# KiCad board XMS0004.kicad_pcb (continued)
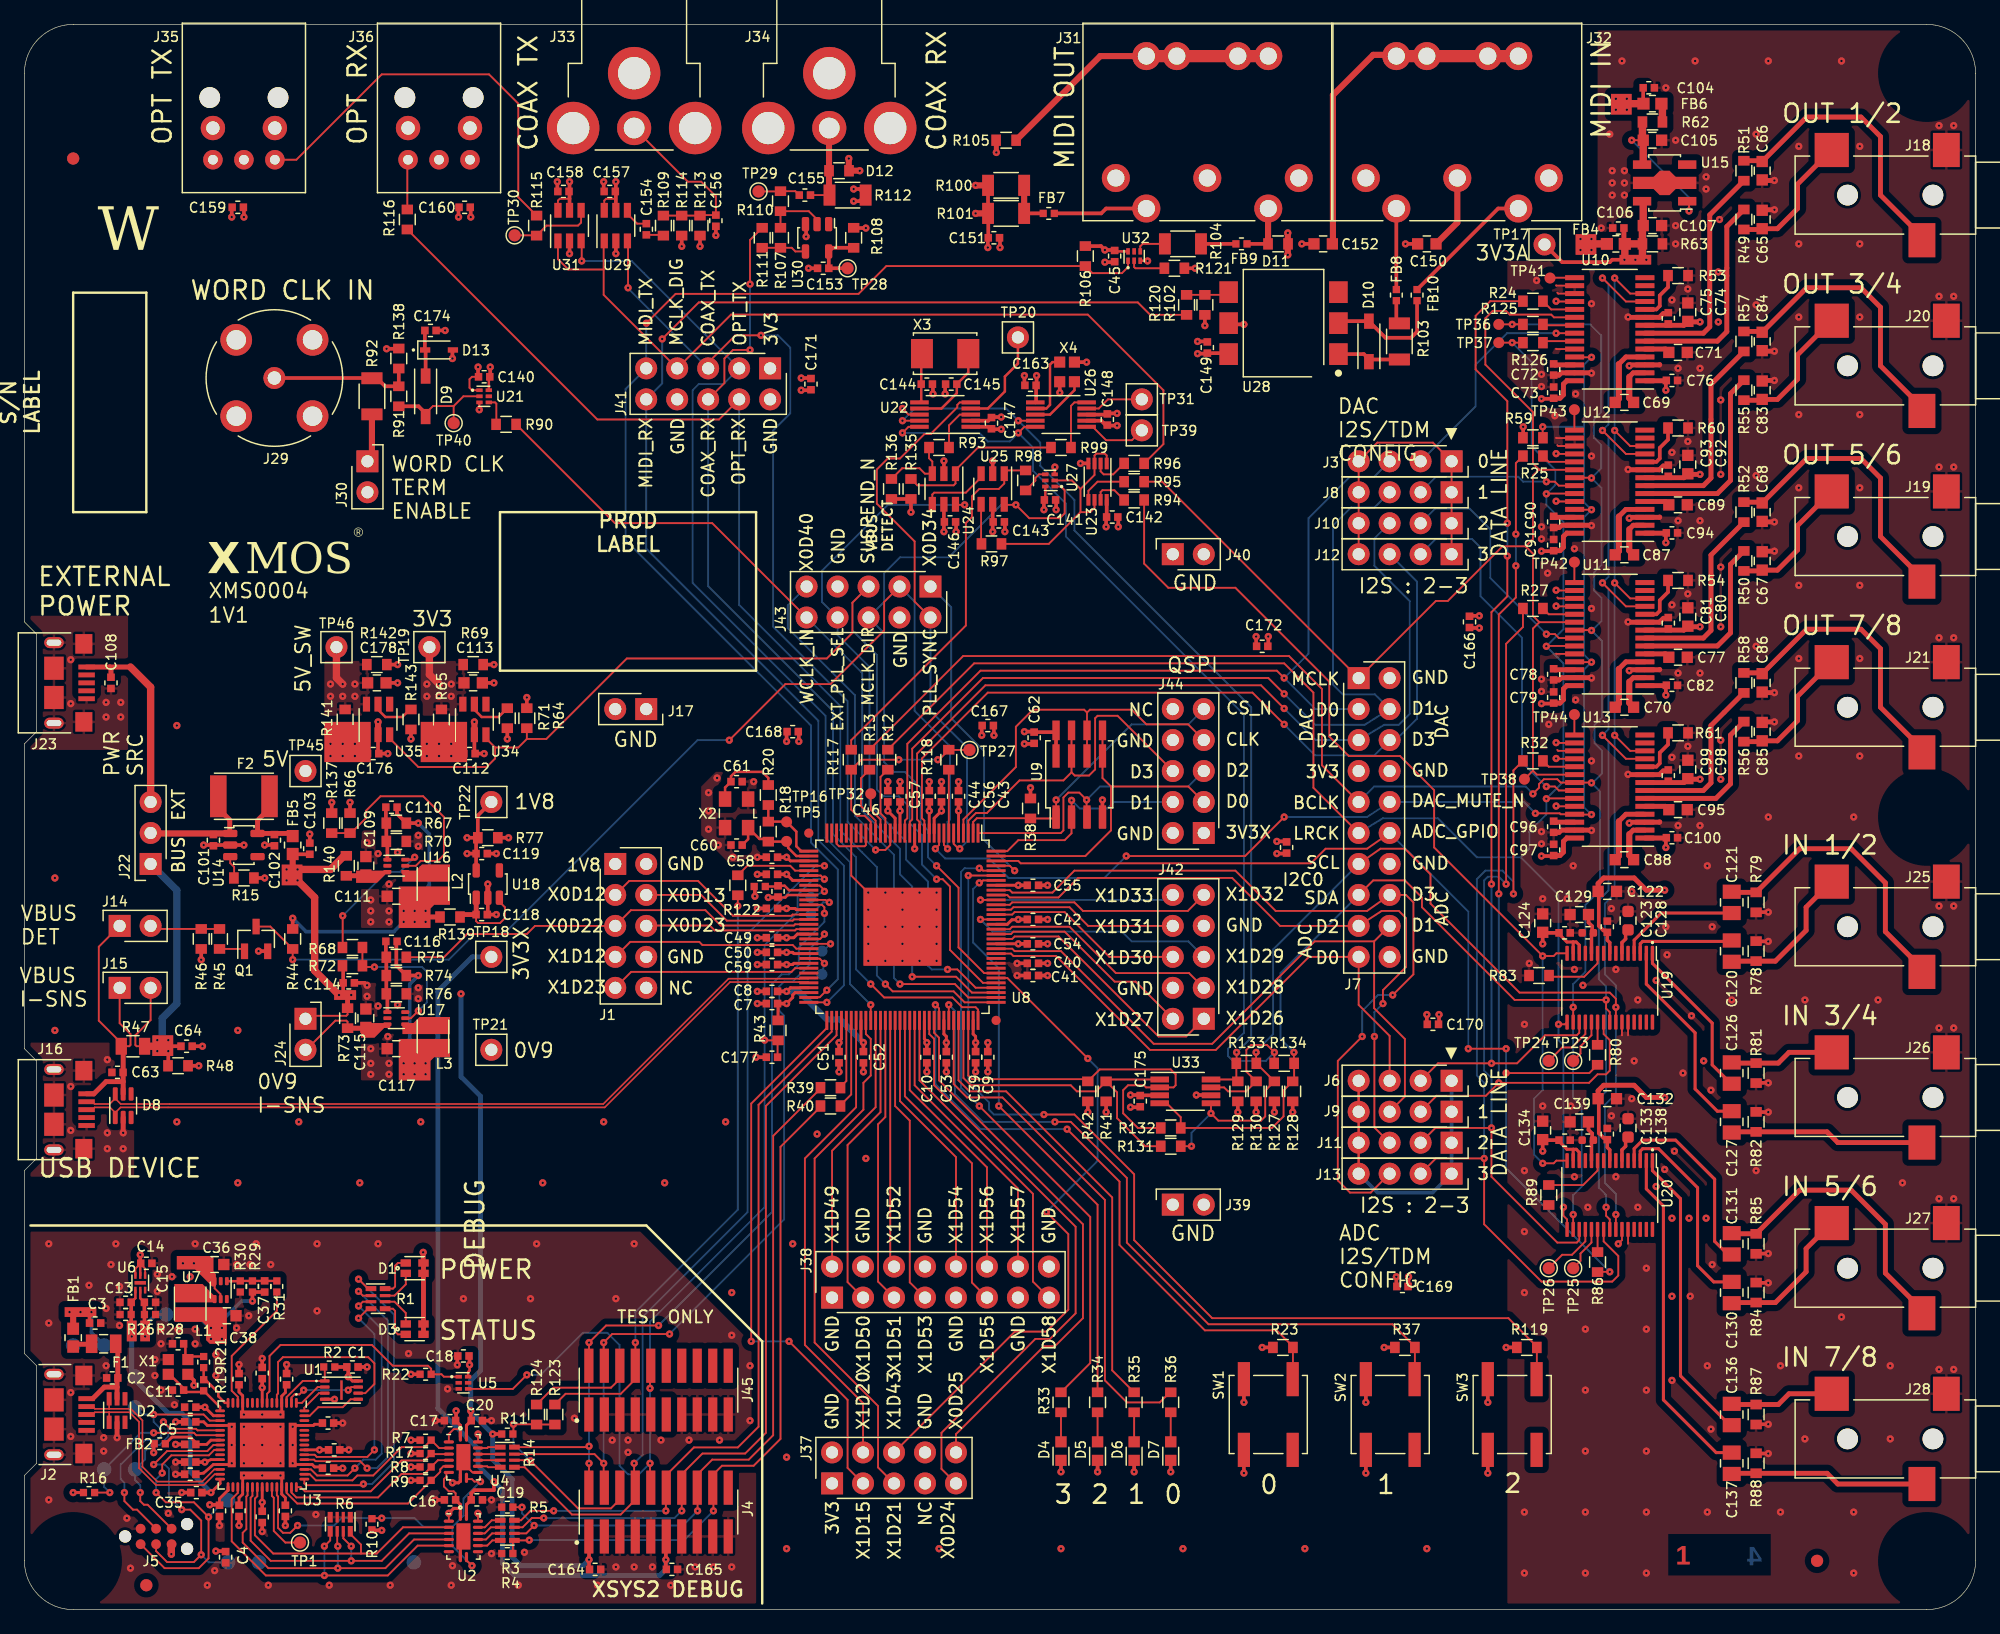
[diagram p0: board, top side]
## Placement (name value [footprint] x y rotation side) (continued)
TP3  TESTPOINT  [TESTPOINT_SMD_1.2MM]  16.7 8.96 90 bottom
TP4  TESTPOINT  [TESTPOINT_SMD_1.2MM]  16.7 3.88 90 bottom
TP5  TESTPOINT  [TESTPOINT_SMD_0.9MM_L]  62.5 63 0 top
TP6  TESTPOINT  [TESTPOINT_SMD_1.2MM]  9.08 16.58 90 bottom
TP7  TESTPOINT  [TESTPOINT_SMD_1.2MM]  9.08 11.5 90 bottom
TP8  TESTPOINT  [TESTPOINT_SMD_1.2MM]  6.54 11.5 90 bottom
TP9  TESTPOINT  [TESTPOINT_SMD_1.2MM]  9.08 19.12 90 bottom
TP10  TESTPOINT  [TESTPOINT_SMD_1.2MM]  6.54 21.66 90 bottom
TP11  TESTPOINT  [TESTPOINT_SMD_1.2MM]  11.62 24.2 90 bottom
TP12  TESTPOINT  [TESTPOINT_SMD_1.2MM]  14.16 24.2 90 bottom
TP13  TESTPOINT  [TESTPOINT_SMD_1.2MM]  4 21.66 90 bottom
TP14  TESTPOINT  [TESTPOINT_SMD_1.2MM]  31.94 3.88 90 bottom
TP15  TESTPOINT  [TESTPOINT_SMD_1.2MM]  19.24 3.88 90 bottom
TP16  TESTPOINT  [TESTPOINT_SMD_0.9MM_L]  62.5 64.6 0 top
TP17  TESTPOINT  [TESTPOINT_THRU]  124.65 111.95 270 top
TP18  TESTPOINT  [TESTPOINT_THRU]  38.29 53.53 0 top
TP19  TESTPOINT  [TESTPOINT_THRU]  33.21 78.93 0 top
TP20  TESTPOINT  [TESTPOINT_THRU]  81.47 104.33 0 top
TP21  TESTPOINT  [TESTPOINT_THRU]  38.29 45.91 0 top
TP22  TESTPOINT  [TESTPOINT_THRU]  38.29 66.23 90 top
TP23  TESTPOINT  [TESTPOINT_SMD_1MM]  127 45 0 top
TP24  TESTPOINT  [TESTPOINT_SMD_1MM]  125 45 0 top
TP25  TESTPOINT  [TESTPOINT_SMD_1MM]  127 28 0 top
TP26  TESTPOINT  [TESTPOINT_SMD_1MM]  125 28 0 top
TP27  TESTPOINT  [TESTPOINT_SMD_1MM]  77.5 70.5 0 top
TP28  TESTPOINT  [TESTPOINT_SMD_1MM]  67.5 110 0 top
TP29  TESTPOINT  [TESTPOINT_SMD_1MM]  60.2 116.3 0 top
TP30  TESTPOINT  [TESTPOINT_SMD_1MM]  40.2 112.7 0 top
TP31  TESTPOINT  [TESTPOINT_THRU]  91.63 99.25 0 top
TP32  TESTPOINT  [TESTPOINT_SMD_0.9MM_L]  69.4 66.9 0 top
TP33  TESTPOINT  [TESTPOINT_SMD_0.9MM_L]  64.5 58.4 90 bottom
TP34  TESTPOINT  [TESTPOINT_SMD_0.9MM_L]  65.4 54 0 bottom
TP35  TESTPOINT  [TESTPOINT_SMD_0.9MM_L]  64.5 57 90 bottom
TP36  TESTPOINT  [TESTPOINT_SMD_0.9MM_L]  120.9 105.4 0 top
TP37  TESTPOINT  [TESTPOINT_SMD_0.9MM_L]  120.9 103.9 0 top
TP38  TESTPOINT  [TESTPOINT_SMD_0.9MM_L]  123 68.1 0 top
TP39  TESTPOINT  [TESTPOINT_THRU]  91.63 96.71 0 top
TP40  TESTPOINT  [TESTPOINT_SMD_1MM]  35.2 97.3 0 top
TP41  TESTPOINT  [TESTPOINT_SMD_0.9MM_L]  125.1 109.2 0 top
TP42  TESTPOINT  [TESTPOINT_SMD_0.9MM_L]  127.1 85.9 0 top
TP43  TESTPOINT  [TESTPOINT_SMD_0.9MM_L]  127.1 98.4 0 top
TP44  TESTPOINT  [TESTPOINT_SMD_0.9MM_L]  127.1 73.4 90 top
TP45  TESTPOINT  [TESTPOINT_THRU]  23.05 68.77 0 top
TP46  TESTPOINT  [TESTPOINT_THRU]  25.59 78.93 0 top
U1  W25Q80EW  [SON9P50_200X300X60L45X25T160X20N]  26 18 270 top
U2  FXL4TD245  [IC_NXP_DHVQFN16]  36 6 270 top
U3  XU316-1024-QF60A-C24  [IC_XMOS_PX_QFN60A_NEWPADDLE]  19.5 13.5 180 top
U4  FXL4TD245  [IC_NXP_DHVQFN16]  36 12.5 270 top
U5  SN74LVC1G125  [TI_R_PUSON_N6]  36 18.6 270 top
U6  TLV7163318P  [TI_S_PX2SON_N6]  9.5 26.8 0 top
U7  AP61102  [ICSOFL6P50_160X160X60L30X21N]  16.1 26.2 180 top
U8  XU316-1024-TQ128-C24  [QFP40P1600X1600X120-129_T480N]  72 56 180 top
U9  W25Q32JVSSIQ  [SOIC127P790X220-8N]  86.5 68.5 0 top
U9#2  W25Q32JVSNIM  [SOIC127P600X175-8N]  86.5 67.5 0 top
U10  PCM5122  [SOP65P640X120-28N]  130 105 90 top
U11  PCM5122  [SOP65P640X120-28N]  130 80 90 top
U12  PCM5122  [SOP65P640X120-28N]  130 92.5 90 top
U13  PCM5122  [SOP65P640X120-28N]  130 67.5 90 top
U14  NCP360  [SOT23-5P95_275X110L40X37N]  18 62.7 270 top
U15  XC6227C331  [TOREX_SOT_89_5]  134.5 117 90 top
U16  AP61102  [ICSOFL6P50_160X160X60L30X21N]  30.5 61 270 top
U17  AP61102  [ICSOFL6P50_160X160X60L30X21N]  30.5 48.5 270 top
U18  TCR2LF18  [SOT23-5P95_275X110L40X37N]  38 59.5 0 top
U19  PCM1865  [SOP30P50_780X640X120L62X20N]  130 51 180 top
U20  PCM1865  [SOP30P50_780X640X120L62X20N]  130 34 180 top
U21  SN74LVC1G125  [TI_R_PUSON_N6]  37.7 99.5 270 top
U22  CS2100-CP  [SOP50P490X110-10N]  75.5 98 90 top
U23  NC7NZ34  [SOP50P310X100-8N]  88 92.5 180 top
U24  74LVC1G157  [SOT95P280X145-6N]  75.4 91.9 180 top
U25  74LVC1G157  [SOT95P280X145-6N]  79.4 91.9 180 top
U26  SI5351A-B-GT  [SOP50P490X110-10N]  85 98 270 top
U27  SN74LVC1G125  [TI_R_PUSON_N6]  84.1 92.6 90 top
U28  H11L1M  [IC_ONSEMI_PDIP6_646BY]  103.25 105.5 90 top
U29  74LVC1G175  [SOT95P280X145-6N]  48.5 113.5 0 top
U30  74LVC1GU04  [SOT23-5P95_275X110L40X37N]  65 112.5 180 top
U31  74LVC1G175  [SOT95P280X145-6N]  44.7 113.5 0 top
U32  SN74LVC1G125  [TI_R_PUSON_N6]  91 111 0 top
U33  PCA9540B  [SOP65P490X110-8N]  95.2 42.5 270 top
U34  AP22653  [SOT95P280X145-6N]  36.9 73 0 top
U35  AP22653  [SOT95P280X145-6N]  29 73 0 top
X1  XRCGB  [OSCCC200X160X70N]  12.6 19.9 0 top
X2  FA-238  [OSCCC320X250X120N]  58.4 65.3 90 top
X3  445  [XTAL_CTS_445]  75.5 103 0 top
X4  XRCGB  [OSCCC200X160X70N]  85.5 101.5 270 top

## Footprints (pads in the part's own frame, mm; a bottom-side part is the same pattern mirrored in y, then rotated)
CAPC1005X55N
  rect 0.61x0.63 smd: 1(-0.46,0) 2(0.46,0)
CAPC1005X55N#2
  rrect 0.61x0.63 smd: 1(-0.46,0) 2(0.46,0)
CAPC1608X90N
  rect 0.92x0.93 smd: 1(-0.755,0) 2(0.755,0)
CAPC1608X90N#2
  rrect 0.92x0.93 smd: 1(-0.755,0) 2(0.755,0)
CAPC2012X145N
  rect 1.16x1.47 smd: 1(-0.875,0) 2(0.875,0)
CON_CUI_RCJ_017
  round 2.8 hole 1.7: 1(0,0)
  round 4.3 hole 2.65: 2(-5,0) 2(0,-4.5) 2(5,0)
CON_CUI_SJ3523
  round 1.7 hole 1.7 unplated: (0,7) (0,0)
  rect 2.8x2.2 smd: 1(3.7,-1.1) 3(-3.7,0.9)
  rect 2.8x2.8 smd: 2(3.7,8.3)
CON_FCI_10118193
  rect 0.4x1.35 smd: 1(0,0) 2(0.65,0) 3(1.3,0) 4(1.95,0) 5(2.6,0)
  rect 1.6x1.4 smd: S1(-1.9,-0.225) S2(4.5,-0.225)
  rrect 0.9x1.6 hole 0.5x1.2: S3(-2,-2.675) S4(4.6,-2.675)
  rect 1.9x1.6 smd: S5(0.1,-2.675) S6(2.5,-2.675)
CON_OPT_AIXIN_DLX1160
  round 1.7 hole 1.7 unplated: (-2.8,5.1) (2.8,5.1)
  round 2 hole 1.1: 0(-2.54,2.6) 0(2.54,2.6)
  round 1.6 hole 0.8: 1(-2.54,0) 2(0,0) 3(2.54,0)
CON_SAMTEC_FTSH_110_01_X_DV_K
  rect 0.75x2.8 smd: 1(-5.715,-2) 2(-5.715,2) 3(-4.445,-2) 4(-4.445,2) 5(-3.175,-2) 6(-3.175,2) 7(-1.905,-2) 8(-1.905,2) 9(-0.635,-2) 10(-0.635,2) 11(0.635,-2) 12(0.635,2) 13(1.905,-2) 14(1.905,2) 15(3.175,-2) 16(3.175,2) 17(4.445,-2) 18(4.445,2) 19(5.715,-2) 20(5.715,2)
CON_TAG_CONNECT_6_NOLEG
  round 1 hole 1 unplated: (-2.54,0) (2.54,1.016) (2.54,-1.016)
  round 0.8 smd: 1(-1.27,-0.635) 2(-1.27,0.635) 3(0,-0.635) 4(0,0.635) 5(1.27,-0.635) 6(1.27,0.635)
CON_TE_5_1634503
  round 1.8 hole 1.1: 1(0,0)
  round 2.6 hole 1.6: 2(-3.13,3.13) 2(-3.13,-3.13) 2(3.13,3.13) 2(3.13,-3.13)
DIN_5PIN_180_RA
  round 0.001 hole 2.4 unplated: (-7.5,-5) (7.5,-5)
  round 2.3 hole 1.4: 1(7.5,0) 2(0,0) 3(-7.5,0) 4(5,2.5) 5(-5,2.5) SH(-5,-10) SH(-2.5,-10) SH(2.5,-10) SH(5,-10)
FIDUCIAL_10_20
  round 1 smd: 1(0,0)
FUSC215X135X75L40N
  rect 0.95x1.52 smd: 1(-0.985,0) 2(0.985,0)
FUSC4632X150N
  rect 1.35x3.43 smd: 1(-2.1,0) 2(2.1,0)
HDR_FCI_67997_116
  rect 1.8x1.8 hole 1: 1(0,0)
  round 1.8 hole 1: 2(0,2.54) 3(2.54,0) 4(2.54,2.54) 5(5.08,0) 6(5.08,2.54) 7(7.62,0) 8(7.62,2.54) 9(10.16,0) 10(10.16,2.54) 11(12.7,0) 12(12.7,2.54) 13(15.24,0) 14(15.24,2.54) 15(17.78,0) 16(17.78,2.54)
HDR_FCI_67997_220
  rect 1.8x1.8 hole 1: 1(0,0)
  round 1.8 hole 1: 2(0,2.54) 3(2.54,0) 4(2.54,2.54) 5(5.08,0) 6(5.08,2.54) 7(7.62,0) 8(7.62,2.54) 9(10.16,0) 10(10.16,2.54) 11(12.7,0) 12(12.7,2.54) 13(15.24,0) 14(15.24,2.54) 15(17.78,0) 16(17.78,2.54) 17(20.32,0) 18(20.32,2.54) 19(22.86,0) 20(22.86,2.54)
HDR_FCI_67997_X10
  rect 1.8x1.8 hole 1: 1(0,0)
  round 1.8 hole 1: 2(0,2.54) 3(2.54,0) 4(2.54,2.54) 5(5.08,0) 6(5.08,2.54) 7(7.62,0) 8(7.62,2.54) 9(10.16,0) 10(10.16,2.54)
HDR_FCI_68001_202
  rect 1.8x1.8 hole 1: 1(0,0)
  round 1.8 hole 1: 2(2.54,0)
HDR_FCI_68001_203
  rect 1.8x1.8 hole 1: 1(0,0)
  round 1.8 hole 1: 2(2.54,0) 3(5.08,0)
HDR_FCI_68001_204
  rect 1.8x1.8 hole 1: 1(0,0)
  round 1.8 hole 1: 2(2.54,0) 3(5.08,0) 4(7.62,0)
IC_NXP_DHVQFN16
  oval 0.84x0.26 smd: 1(-1.695,-0.25) 8(1.695,-0.25) 9(1.695,0.25) 16(-1.695,0.25)
  oval 0.26x0.84 smd: 2(-1.25,-1.195) 3(-0.75,-1.195) 4(-0.25,-1.195) 5(0.25,-1.195) 6(0.75,-1.195) 7(1.25,-1.195) 10(1.25,1.195) 11(0.75,1.195) 12(0.25,1.195) 13(-0.25,1.195) 14(-0.75,1.195) 15(-1.25,1.195)
  rect 2.15x1.15 smd: 17(0,0)
IC_ONSEMI_PDIP6_646BY
  rect 1.78x1.52 smd: 1(-2.54,-4.5) 2(0,-4.5) 3(2.54,-4.5) 4(2.54,4.5) 5(0,4.5) 6(-2.54,4.5)
IC_XMOS_PX_QFN60A_NEWPADDLE
  custom 1.625x1.625 smd: (-1.725,0.325) (-0.325,-1.725) (0.325,1.725) (1.725,-0.325)
  oval 0.23x0.81 smd: 1(-2.8,-3.455) 2(-2.4,-3.455) 3(-2,-3.455) 4(-1.6,-3.455) 5(-1.2,-3.455) 6(-0.8,-3.455) 7(-0.4,-3.455) 8(0,-3.455) 9(0.4,-3.455) 10(0.8,-3.455) 11(1.2,-3.455) 12(1.6,-3.455) 13(2,-3.455) 14(2.4,-3.455) 15(2.8,-3.455) 31(2.8,3.455) 32(2.4,3.455) 33(2,3.455) 34(1.6,3.455) 35(1.2,3.455) 36(0.8,3.455) 37(0.4,3.455) 38(0,3.455) 39(-0.4,3.455) 40(-0.8,3.455) 41(-1.2,3.455) 42(-1.6,3.455) 43(-2,3.455) 44(-2.4,3.455) 45(-2.8,3.455)
  oval 0.81x0.23 smd: 16(3.455,-2.8) 17(3.455,-2.4) 18(3.455,-2) 19(3.455,-1.6) 20(3.455,-1.2) 21(3.455,-0.8) 22(3.455,-0.4) 23(3.455,0) 24(3.455,0.4) 25(3.455,0.8) 26(3.455,1.2) 27(3.455,1.6) 28(3.455,2) 29(3.455,2.4) 30(3.455,2.8) 46(-3.455,2.8) 47(-3.455,2.4) 48(-3.455,2) 49(-3.455,1.6) 50(-3.455,1.2) 51(-3.455,0.8) 52(-3.455,0.4) 53(-3.455,0) 54(-3.455,-0.4) 55(-3.455,-0.8) 56(-3.455,-1.2) 57(-3.455,-1.6) 58(-3.455,-2) 59(-3.455,-2.4) 60(-3.455,-2.8)
  rect 3.65x0.65 smd: 61(0,-2.5) 63(0,2.5)
  rect 0.65x3.65 smd: 62(2.5,0) 64(-2.5,0)
  rect 3.65x3.65 smd: 65(0,0)
ICSOFL6P50_160X160X60L30X21N
  rrect 0.31x0.66 smd: 1(-0.5,-0.735) 2(0,-0.735) 3(0.5,-0.735) 4(0.5,0.735) 5(0,0.735) 6(-0.5,0.735)
INDC1005X55N
  rect 0.59x0.6 smd: 1(-0.455,0) 2(0.455,0)
INDC1608X95N
  rect 1x0.97 smd: 1(-0.735,0) 2(0.735,0)
INDC2520X120N
  rect 0.9x2.2 smd: 1(-1,0) 2(1,0)
LED_LITEON_LTST_C195KGJRKT
  rect 0.6x0.85 smd: 1(0.425,0.725) 2(-0.425,0.725) 3(0.425,-0.725) 4(-0.425,-0.725)
LEDC1608X85N
  rect 0.91x0.93 smd: 1(-0.76,0) 2(0.76,0)
OSCCC200X160X70N
  rect 0.91x0.91 smd: 1(-0.805,-0.605) 2(0.805,-0.605) 3(0.805,0.605) 4(-0.805,0.605)
OSCCC320X250X120N
  rect 1.27x1.02 smd: 1(-1.17,-0.945) 2(1.17,-0.945) 3(1.17,0.945) 4(-1.17,0.945)
QFP40P1600X1600X120-129_T480N
  rect 0.24x1.56 smd: 1(-6.2,-7.68) 2(-5.8,-7.68) 3(-5.4,-7.68) 4(-5,-7.68) 5(-4.6,-7.68) 6(-4.2,-7.68) 7(-3.8,-7.68) 8(-3.4,-7.68) 9(-3,-7.68) 10(-2.6,-7.68) 11(-2.2,-7.68) 12(-1.8,-7.68) 13(-1.4,-7.68) 14(-1,-7.68) 15(-0.6,-7.68) 16(-0.2,-7.68) 17(0.2,-7.68) 18(0.6,-7.68) 19(1,-7.68) 20(1.4,-7.68) 21(1.8,-7.68) 22(2.2,-7.68) 23(2.6,-7.68) 24(3,-7.68) 25(3.4,-7.68) 26(3.8,-7.68) 27(4.2,-7.68) 28(4.6,-7.68) 29(5,-7.68) 30(5.4,-7.68) 31(5.8,-7.68) 32(6.2,-7.68) 65(6.2,7.68) 66(5.8,7.68) 67(5.4,7.68) 68(5,7.68) 69(4.6,7.68) 70(4.2,7.68) 71(3.8,7.68) 72(3.4,7.68) 73(3,7.68) 74(2.6,7.68) 75(2.2,7.68) 76(1.8,7.68) 77(1.4,7.68) 78(1,7.68) 79(0.6,7.68) 80(0.2,7.68) 81(-0.2,7.68) 82(-0.6,7.68) 83(-1,7.68) 84(-1.4,7.68) 85(-1.8,7.68) 86(-2.2,7.68) 87(-2.6,7.68) 88(-3,7.68) 89(-3.4,7.68) 90(-3.8,7.68) 91(-4.2,7.68) 92(-4.6,7.68) 93(-5,7.68) 94(-5.4,7.68) 95(-5.8,7.68) 96(-6.2,7.68)
  rect 1.56x0.24 smd: 33(7.68,-6.2) 34(7.68,-5.8) 35(7.68,-5.4) 36(7.68,-5) 37(7.68,-4.6) 38(7.68,-4.2) 39(7.68,-3.8) 40(7.68,-3.4) 41(7.68,-3) 42(7.68,-2.6) 43(7.68,-2.2) 44(7.68,-1.8) 45(7.68,-1.4) 46(7.68,-1) 47(7.68,-0.6) 48(7.68,-0.2) 49(7.68,0.2) 50(7.68,0.6) 51(7.68,1) 52(7.68,1.4) 53(7.68,1.8) 54(7.68,2.2) 55(7.68,2.6) 56(7.68,3) 57(7.68,3.4) 58(7.68,3.8) 59(7.68,4.2) 60(7.68,4.6) 61(7.68,5) 62(7.68,5.4) 63(7.68,5.8) 64(7.68,6.2) 97(-7.68,6.2) 98(-7.68,5.8) 99(-7.68,5.4) 100(-7.68,5) 101(-7.68,4.6) 102(-7.68,4.2) 103(-7.68,3.8) 104(-7.68,3.4) 105(-7.68,3) 106(-7.68,2.6) 107(-7.68,2.2) 108(-7.68,1.8) 109(-7.68,1.4) 110(-7.68,1) 111(-7.68,0.6) 112(-7.68,0.2) 113(-7.68,-0.2) 114(-7.68,-0.6) 115(-7.68,-1) 116(-7.68,-1.4) 117(-7.68,-1.8) 118(-7.68,-2.2) 119(-7.68,-2.6) 120(-7.68,-3) 121(-7.68,-3.4) 122(-7.68,-3.8) 123(-7.68,-4.2) 124(-7.68,-4.6) 125(-7.68,-5) 126(-7.68,-5.4) 127(-7.68,-5.8) 128(-7.68,-6.2)
  rect 4.7x4.7 smd: 129(0,0)
  round 0.75 smd: FID1(7.68,-7.68) FID2(-7.68,7.68)
RESC1005X40N
  rect 0.59x0.6 smd: 1(-0.455,0) 2(0.455,0)
RESC1608X55N
  rect 0.79x0.93 smd: 1(-0.82,0) 2(0.82,0)
RESC2012X60N
  rect 0.92x1.38 smd: 1(-0.955,0) 2(0.955,0)
RESC3116X65N
  rect 0.97x1.73 smd: 1(-1.48,0) 2(1.48,0)
RESCAXS50P200X100X55-8N
  rect 0.41x0.87 smd: 1(-0.825,-0.58) 4(0.825,-0.58) 5(0.825,0.58) 8(-0.825,0.58)
  rect 0.26x0.87 smd: 2(-0.25,-0.58) 3(0.25,-0.58) 6(0.25,0.58) 7(-0.25,0.58)
SOD3716X135N
  rect 1.25x0.79 smd: 1(-1.66,0) 2(1.66,0)
SODFL2513X100N
  rect 0.84x0.44 smd: 1(-1.14,0) 2(1.14,0)
SOIC127P600X175-8N
  rect 0.59x1.91 smd: 1(-1.905,-2.505) 2(-0.635,-2.505) 3(0.635,-2.505) 4(1.905,-2.505) 5(1.905,2.505) 6(0.635,2.505) 7(-0.635,2.505) 8(-1.905,2.505)
SOIC127P790X220-8N
  rect 0.6x1.61 smd: 1(-1.905,-3.605) 2(-0.635,-3.605) 3(0.635,-3.605) 4(1.905,-3.605) 5(1.905,3.605) 6(0.635,3.605) 7(-0.635,3.605) 8(-1.905,3.605)
SON9P50_200X300X60L45X25T160X20N
  rrect 0.27x0.79 smd: 1(-0.75,-1.37) 2(-0.25,-1.37) 3(0.25,-1.37) 4(0.75,-1.37) 5(0.75,1.37) 6(0.25,1.37) 7(-0.25,1.37) 8(-0.75,1.37)
  rect 1.6x0.2 smd: 9(0,0)
SOP30P50_780X640X120L62X20N
  rrect 0.28x1.23 smd: 1(-3.5,-2.82) 2(-3,-2.82) 3(-2.5,-2.82) 4(-2,-2.82) 5(-1.5,-2.82) 6(-1,-2.82) 7(-0.5,-2.82) 8(0,-2.82) 9(0.5,-2.82) 10(1,-2.82) 11(1.5,-2.82) 12(2,-2.82) 13(2.5,-2.82) 14(3,-2.82) 15(3.5,-2.82) 16(3.5,2.82) 17(3,2.82) 18(2.5,2.82) 19(2,2.82) 20(1.5,2.82) 21(1,2.82) 22(0.5,2.82) 23(0,2.82) 24(-0.5,2.82) 25(-1,2.82) 26(-1.5,2.82) 27(-2,2.82) 28(-2.5,2.82) 29(-3,2.82) 30(-3.5,2.82)
SOP50P310X100-8N
  rect 0.33x0.95 smd: 1(-0.75,-1.49) 2(-0.25,-1.49) 3(0.25,-1.49) 4(0.75,-1.49) 5(0.75,1.49) 6(0.25,1.49) 7(-0.25,1.49) 8(-0.75,1.49)
SOP50P490X110-10N
  rect 0.33x1.52 smd: 1(-1,-2.105) 2(-0.5,-2.105) 3(0,-2.105) 4(0.5,-2.105) 5(1,-2.105) 6(1,2.105) 7(0.5,2.105) 8(0,2.105) 9(-0.5,2.105) 10(-1,2.105)
SOP65P490X110-8N
  rect 0.48x1.52 smd: 1(-0.975,-2.105) 2(-0.325,-2.105) 3(0.325,-2.105) 4(0.975,-2.105) 5(0.975,2.105) 6(0.325,2.105) 7(-0.325,2.105) 8(-0.975,2.105)
SOP65P640X120-28N
  rect 0.41x1.56 smd: 1(-4.225,-2.88) 2(-3.575,-2.88) 3(-2.925,-2.88) 4(-2.275,-2.88) 5(-1.625,-2.88) 6(-0.975,-2.88) 7(-0.325,-2.88) 8(0.325,-2.88) 9(0.975,-2.88) 10(1.625,-2.88) 11(2.275,-2.88) 12(2.925,-2.88) 13(3.575,-2.88) 14(4.225,-2.88) 15(4.225,2.88) 16(3.575,2.88) 17(2.925,2.88) 18(2.275,2.88) 19(1.625,2.88) 20(0.975,2.88) 21(0.325,2.88) 22(-0.325,2.88) 23(-0.975,2.88) 24(-1.625,2.88) 25(-2.275,2.88) 26(-2.925,2.88) 27(-3.575,2.88) 28(-4.225,2.88)
SOT23-5P95_275X110L40X37N
  rrect 0.6x1.17 smd: 1(-0.95,-1.12) 2(0,-1.12) 3(0.95,-1.12) 4(0.95,1.12) 5(-0.95,1.12)
SOT65P210X110-6N
  rect 0.4x1.09 smd: 1(-0.65,-0.965) 2(0,-0.965) 3(0.65,-0.965) 4(0.65,0.965) 5(0,0.965) 6(-0.65,0.965)
SOT65P210X110-6N#2
  rrect 0.4x1.09 smd: 1(-0.65,-0.965) 2(0,-0.965) 3(0.65,-0.965) 4(0.65,0.965) 5(0,0.965) 6(-0.65,0.965)
SOT95P235X115-3N
  rect 0.59x1.28 smd: 1(-0.95,-1.015) 2(0.95,-1.015) 3(0,1.015)
SOT95P280X145-6N
  rect 0.59x1.21 smd: 1(-0.95,-1.255) 2(0,-1.255) 3(0.95,-1.255) 4(0.95,1.255) 5(0,1.255) 6(-0.95,1.255)
SW_CK_KSC4_JBEND
  rect 2.8x1 smd: 1A(-2.9,2) 1B(2.9,2) 2A(-2.9,-2) 2B(2.9,-2)
TESTPOINT_SMD_0.9MM_L
  round 0.9 smd: 1(0,0)
TESTPOINT_SMD_1.2MM
  round 1.2 smd: 1(0,0)
TESTPOINT_SMD_1MM
  round 1 smd: 1(0,0)
TESTPOINT_THRU
  round 1.8 hole 1: 1(0,0)
TI_R_PUSON_N6
  rect 0.3x0.52 smd: 1(-0.5,-0.385) 2(0,-0.385) 3(0.5,-0.385) 4(0.5,0.385) 5(0,0.385) 6(-0.5,0.385)
TI_S_PX2SON_N6
  rect 0.2x0.55 smd: 1(-0.4,-0.6) 2(0,-0.6) 3(0.4,-0.6) 4(0.4,0.6) 5(0,0.6) 6(-0.4,0.6)
  rect 0.94x0.3 smd: 7(0,0)
TOREX_SOT_89_5
  custom 2x2.2 smd: (-0.3,1.1)
  rect 0.7x1.5 smd: 1(-1.5,-1.85) 3(1.5,-1.85) 4(1.5,1.85) 5(-1.5,1.85)
  rect 1x5.2 smd: 2(0,0)
unnamed
  round 0.001 hole 3.2 unplated: (0,0)
XTAL_CTS_445
  rect 1.8x2.4 smd: 1(-1.9,0) 2(1.9,0)

## Nets
0V9: C9.1 C10.1 C39.1 C40.1 C41.1 C42.1 C43.1 C44.1 C46.1 C47.1 C48.1 C49.1 C50.1 C51.1 C116.1 C117.1 FB3.2 L3.2 R74.2 TP21.1 U8.5 U8.11 U8.14 U8.18 U8.39 U8.45 U8.50 U8.54 U8.68 U8.85 U8.95 U8.104 U8.105 U8.106 U8.113
0V9_DBG: C21.1 C22.1 C23.1 C24.1 C25.1 C26.1 C27.1 C28.1 C37.1 C38.1 FB2.2 L1.2 R29.2 TP12.1 U3.4 U3.12 U3.19 U3.27 U3.34 U3.42 U3.49 U3.57 U3.61 U3.62 U3.63 U3.64
1V8: C7.1 C20.1 C58.1 C59.1 C119.1 C164.1 J1.1 J4.1 R11.2 R43.2 R77.2 TP22.1 U4.16 U8.35 U8.56 U8.62 U18.5
1V8_DBG: C1.1 C4.1 C15.1 C16.1 C17.1 C18.1 C29.1 C30.1 C31.1 C32.1 C33.1 C34.1 J5.5 R2.2 R7.2 R8.2 R9.2 R10.2 R16.2 R22.2 R28.2 TP11.1 U1.8 U2.1 U2.2 U2.15 U3.8 U3.17 U3.26 U3.31 U3.38 U3.52 U4.1 U4.2 U4.7 U4.15 U5.6 U6.2
3V3: C45.1 C73.1 C79.1 C91.1 C97.1 C113.1 C124.1 C125.1 C134.1 C135.1 C140.1 C141.1 C142.1 C143.1 C146.1 C147.1 C148.1 C149.1 C151.1 C157.1 C158.1 C159.1 C160.1 C163.1 C166.1 C167.1 C168.1 C169.1 C170.1 C171.1 C172.1 C173.1 C175.1 FB4.2 J7.7 J35.2 J36.3 J37.1 J41.1 R23.2 R37.2 R41.2 R42.2 R59.2 R65.2 R69.2 R100.2 R101.2 R102.2 R106.2 R108.1 R119.2 R127.2 R128.2 R129.2 R130.2 TP19.1 U10.18 U10.28 U11.16 U11.18 U11.28 U12.18 U12.24 U12.28 U13.16 U13.18 U13.24 U13.28 U19.13 U19.14 U20.13 U20.14 U20.25 U21.6 U22.1 U23.8 U24.5 U25.5 U26.1 U26.7 U27.6 U28.6 U29.5 U29.6 U31.5 U31.6 U32.6 U33.3 U34.6
3V3_DBG: C13.1 C35.1 D1.1 D1.2 D3.1 D3.2 R26.2 TP9.1 U3.30 U6.1
3V3A: C74.1 C75.1 C76.1 C80.1 C81.1 C82.1 C92.1 C93.1 C94.1 C98.1 C99.1 C100.1 C106.1 C107.1 C122.1 C123.1 C132.1 C133.1 FB4.1 R63.2 TP17.1 U10.1 U10.8 U11.1 U11.8 U12.1 U12.8 U13.1 U13.8 U15.5 U19.8 U20.8
3V3X: C8.1 C19.1 C52.1 C53.1 C54.1 C55.1 C56.1 C57.1 C62.1 C110.1 C111.1 C112.1 C165.1 J4.11 J44.1 L2.2 R38.2 R44.2 R65.1 R67.2 R139.1 TP18.1 U2.16 U8.10 U8.17 U8.61 U8.72 U8.89 U8.109 U8.121 U9.8 U9#2.8 U34.1
5V: C103.1 C114.1 C176.1 FB5.2 J24.1 R66.2 R72.2 R73.1 R140.2 R141.1 TP45.1 U35.1
5V_DBG: C3.1 C14.1 C36.1 FB1.2 TP10.1 U6.4 U6.5 U6.6 U7.3 U7.5
5V_SW: C104.1 C178.1 FB6.1 R141.2 R142.2 TP46.1 U35.6
GND: C1.2 C2.2 C3.2 C4.2 C5.2 C6.2 C7.2 C8.2 C9.2 C10.2 C11.2 C12.2 C13.2 C14.2 C15.2 C16.2 C17.2 C18.2 C19.2 C20.2 C21.2 C22.2 C23.2 C24.2 C25.2 C26.2 C27.2 C28.2 C29.2 C30.2 C31.2 C32.2 C33.2 C34.2 C35.2 C36.2 C38.2 C39.2 C40.2 C41.2 C42.2 C43.2 C44.2 C45.2 C46.2 C47.2 C48.2 C49.2 C50.2 C51.2 C52.2 C53.2 C54.2 C55.2 C56.2 C57.2 C58.2 C59.2 C60.2 C61.2 C62.2 C63.2 C64.2 C65.2 C66.2 C67.2 C68.2 C71.2 C72.2 C73.2 C74.2 C75.2 C76.2 C77.2 C78.2 C79.2 C80.2 C81.2 C82.2 C83.2 C84.2 C85.2 C86.2 C89.2 C90.2 C91.2 C92.2 C93.2 C94.2 C95.2 C96.2 C97.2 C98.2 C99.2 C100.2 C101.2 C102.2 C103.2 C104.2 C105.2 C106.2 C107.2 C108.2 C109.2 C111.2 C112.2 C113.2 C114.2 C115.2 C117.2 C118.2 C119.2 C122.2 C123.2 C124.2 C125.2 C128.2 C129.2 C132.2 C133.2 C134.2 C135.2 C138.2 C139.2 C140.2 C141.2 C142.2 C143.2 C144.2 C145.2 C146.2 C147.2 C148.2 C149.2 C150.2 C151.2 C152.2 C153.2 C156.2 C157.2 C158.2 C159.2 C160.2 C161.2 C162.2 C163.2 C164.2 C165.2 C166.2 C167.2 C168.2 C169.2 C170.2 C171.2 C172.2 C173.2 C174.2 C175.2 C176.2 C177.2 C178.2 D2.2 D4.1 D5.1 D6.1 D7.1 D8.2 D11.1 D12.1 D13.2 J1.2 J1.8 J2.5 J2.S1 J2.S2 J2.S3 J2.S4 J2.S5 J2.S6 J4.3 J4.5 J4.7 J4.9 J4.13 J4.15 J4.17 J4.19 J5.2 J7.2 J7.8 J7.14 J7.20 J16.5 J16.S1 J16.S2 J16.S3 J16.S4 J16.S5 J16.S6 J17.1 J17.2 J18.1 J19.1 J20.1 J21.1 J23.5 J23.S1 J23.S2 J23.S3 J23.S4 J23.S5 J23.S6 J25.1 J26.1 J27.1 J28.1 J29.2 J30.2 J31.2 J33.2 J34.2 J35.1 J36.2 J37.2 J37.8 J38.1 J38.4 J38.8 J38.9 J38.13 J38.16 J39.1 J39.2 J40.1 J40.2 J41.2 J41.8 J42.4 J42.7 J43.4 J43.7 J44.2 J44.8 J45.3 J45.5 J45.7 J45.9 J45.13 J45.15 J45.17 J45.19 Q1.2 R4.1 R5.1 R6.1 R6.2 R6.3 R6.4 R15.1 R17.1 R26.1 R28.1 R30.1 R46.1 R48.1 R53.1 R54.1 R60.1 R61.1 R63.1 R64.1 R69.1 R70.1 R71.1 R76.1 R77.1 R78.1 R79.1 R81.1 R82.1 R83.2 R84.1 R85.1 R87.1 R88.1 R89.2 R105.1 R112.1 R113.1 R114.1 R121.1 R135.1 R136.1 R137.1 R138.1 R142.1 R143.1 SW1.2A SW1.2B SW2.2A SW2.2B SW3.2A SW3.2B TP13.1 TP14.1 TP15.1 U1.4 U2.7 U2.8 U2.10 U2.17 U3.65 U4.8 U4.10 U4.17 U5.2 U5.3 U6.3 U6.7 U7.2 U8.24 U8.27 U8.30 U8.42 U8.129 U9.4 U9#2.4 U10.3 U10.9 U10.16 U10.17 U10.24 U10.27 U11.3 U11.9 U11.17 U11.24 U11.27 U12.3 U12.9 U12.16 U12.17 U12.27 U13.3 U13.9 U13.17 U13.27 U14.2 U15.2 U16.2 U17.2 U18.2 U19.7 U19.12 U19.25 U19.26 U20.7 U20.12 U20.26 U21.1 U21.3 U22.2 U22.8 U23.4 U24.2 U25.2 U26.8 U27.3 U28.5 U29.2 U30.3 U31.2 U32.3 U33.6 U34.2 U35.2 X1.2 X1.4 X2.2 X2.4 X4.2 X4.4
VBUS: C63.1 D8.5 J14.1 J15.1 J16.1 R47.1
VBUS_DETECT: J43.3 Q1.3 R44.1 U8.8
ADC_D0: J6.2 R24.2 U19.18
ADC_D1: J9.2 R25.2 U19.22
ADC_D2: J11.2 R27.2 U20.18
ADC_D3: J13.2 R32.2 U20.22
ADC_GPIO: J7.12 R80.1 R86.1 U8.126
AIN1: C120.1 J25.2 R78.2
AIN2: C121.1 J25.3 R79.2
AIN3: C126.1 J26.2 R81.2
AIN4: C127.1 J26.3 R82.2
AIN5: C130.1 J27.2 R84.2
AIN6: C131.1 J27.3 R85.2
AIN7: C136.1 J28.2 R87.2
AIN8: C137.1 J28.3 R88.2
AOUT1: C65.1 J18.2 R49.2
AOUT2: C66.1 J18.3 R51.2
AOUT3: C83.1 J20.2 R55.2
AOUT4: C84.1 J20.3 R57.2
AOUT5: C67.1 J19.2 R50.2
AOUT6: C68.1 J19.3 R52.2
AOUT7: C85.1 J21.2 R56.2
AOUT8: C86.1 J21.3 R58.2
BCLK: J7.9 R13.2 R125.1 TP36.1 U11.21 U12.21 U13.21 U19.17 U20.17
BUT_0: R23.1 SW1.1A U8.88
BUT_1: R37.1 SW2.1A U8.90
BUT_2: R119.1 SW3.1A U8.123
COAX_RX: J41.6 R111.2 U8.96
COAX_TX: J41.5 U8.19 U29.3
DAC_D0: J3.2 U10.22
DAC_D1: J8.2 U12.22
DAC_D2: J10.2 U11.22
DAC_D3: J12.2 U13.22
DAC_MUTE_N: J7.10 R59.1 U8.9 U10.25 U11.25 U12.25 U13.25
DBG_MARGIN: R31.1 U3.13
DBG_QSPI_CLK: U1.6 U3.5
DBG_QSPI_CS_N: R2.1 U1.1 U3.3
DBG_QSPI_D0: U1.5 U3.59
DBG_QSPI_D1: U1.2 U3.1
DBG_QSPI_D2: U1.3 U3.60
DBG_QSPI_D3: U1.7 U3.2
DBG_USB_D_N: D2.6 J2.2 U3.28
DBG_USB_D_P: D2.1 J2.3 U3.29
DBG_VBUS: C2.1 D2.5 F1.1 J2.1
EXT_PLL_SEL: J43.8 U8.100 U24.6
I2C0_SCL: J7.13 R127.1 R131.1 R133.2 U10.12 U11.12 U12.12 U13.12 U19.24 U20.24 U33.5
I2C0_SDA: J7.15 R128.1 R132.1 R134.2 U10.11 U11.11 U12.11 U13.11 U19.23 U20.23 U33.4
I2C1_SCL: R129.1 R133.1 U22.9 U26.4 U33.8
I2C1_SDA: R130.1 R134.1 U22.10 U26.5 U33.7
I2C_SCL: R41.1 R131.2 U8.93 U33.1
I2C_SDA: R42.1 R132.2 U8.94 U33.2
I2S_DAC_LOOP_D0: R24.1 U10.19
I2S_DAC_LOOP_D1: R25.1 U12.19
I2S_DAC_LOOP_D2: R27.1 U11.19
I2S_DAC_LOOP_D3: R32.1 U13.19
LED_0: R36.2 U8.91
LED_1: R35.2 U8.92
LED_2: R34.2 U8.122
LED_3: R33.2 U8.124
LED_A_GRN: R1.2 U3.50
LED_A_RED: R1.1 U3.46
LED_B_GRN: R1.4 U3.51
LED_B_RED: R1.3 U3.48
LRCK: J7.11 R12.2 R126.1 TP37.1 U11.23 U12.23 U13.23 U19.16 U20.16
MCLK_ADC: R94.2 U19.15 U20.15
MCLK_DAC: J7.1 R95.2 TP38.1 U10.20 U11.20 U12.20 U13.20
MCLK_DIG: J41.7 R96.2 U29.1 U31.1
MCLK_DIR: J43.6 U8.103 U25.6 U27.1
MCLK_X_PIN: R117.1 R118.1 TP27.1 U8.23
MCLK_XMOS: R98.2 R117.2 U25.1
MIDI_RX: J41.10 R120.2 U8.64
MIDI_TX: J41.9 R106.1 U8.63 U32.1
NetC5_1: C5.1 FB2.1 U3.22
NetC6_1: C6.1 FB3.1 U8.41
NetC11_1: C11.1 R19.1 U3.16 X1.1
NetC12_1: C12.1 R21.1 X1.3
NetC37_2: C37.2 R29.1 R30.2 R31.2 U7.1
NetC60_1: C60.1 R18.1 TP5.1 U8.34 X2.1
NetC61_1: C61.1 R20.1 X2.3
NetC69_1: C69.1 U10.2
NetC69_2: C69.2 U10.4
NetC70_1: C70.1 U11.2
NetC70_2: C70.2 U11.4
NetC71_1: C71.1 U10.5
NetC72_1: C72.1 U10.26
NetC77_1: C77.1 U11.5
NetC78_1: C78.1 U11.26
NetC87_1: C87.1 U12.2
NetC87_2: C87.2 U12.4
NetC88_1: C88.1 U13.2
NetC88_2: C88.2 U13.4
NetC89_1: C89.1 U12.5
NetC90_1: C90.1 U12.26
NetC95_1: C95.1 U13.5
NetC96_1: C96.1 U13.26
NetC101_1: C101.1 F2.1 J22.2 U14.1
NetC102_1: C102.1 F2.2 FB5.1 U14.5
NetC105_1: C105.1 R62.2 U15.1 U15.4
NetC108_1: C108.1 J22.3 J23.1
NetC109_1: C109.1 R140.1 U16.3
NetC110_2: C110.2 R67.1 R70.2 U16.1
NetC115_1: C115.1 J24.2 R73.2 U17.3
NetC116_2: C116.2 R74.1 R75.2 R76.2 U17.1
NetC118_1: C118.1 R139.2 U18.1 U18.3
NetC120_2: C120.2 U19.3
NetC121_2: C121.2 U19.4
NetC126_2: C126.2 U19.1
NetC127_2: C127.2 U19.2
NetC128_1: C128.1 U19.6
NetC129_1: C129.1 C161.1 U19.11
NetC130_2: C130.2 U20.3
NetC131_2: C131.2 U20.4
NetC136_2: C136.2 U20.1
NetC137_2: C137.2 U20.2
NetC138_1: C138.1 U20.6
NetC139_1: C139.1 C162.1 U20.11
NetC144_1: C144.1 U22.6 X3.1
NetC145_1: C145.1 U22.7 X3.2
NetC150_1: C150.1 J32.2
NetC152_1: C152.1 J32.SH
NetC153_1: C153.1 R108.2 TP28.1 U30.5
NetC154_1: C154.1 U29.4
NetC154_2: C154.2 R109.1
NetC155_1: C155.1 D12.2 J34.1 R112.2
NetC155_2: C155.2 R110.1 TP29.1
NetC156_1: C156.1 J33.1 R109.2 R113.2 R114.2
NetC174_1: C174.1 D9.1 D13.1
NetD1_3: D1.3 R1.7
NetD1_4: D1.4 R1.8
NetD3_3: D3.3 R1.5
NetD3_4: D3.4 R1.6
NetD4_2: D4.2 R33.1
NetD5_2: D5.2 R34.1
NetD6_2: D6.2 R35.1
NetD7_2: D7.2 R36.1
NetD9_2: D9.2 R91.2 TP40.1 U21.2
NetD10_1: D10.1 R103.2 U28.1
NetD10_2: D10.2 FB10.2 U28.2
NetD11_2: D11.2 FB9.1 J31.5
NetF1_2: F1.2 FB1.1
NetFB6_2: FB6.2 R62.1
NetFB7_1: FB7.1 J31.4
NetFB7_2: FB7.2 R100.1 R101.1
NetFB8_1: FB8.1 J32.4
NetFB8_2: FB8.2 R103.1
NetFB9_2: FB9.2 R104.2
NetFB10_1: FB10.1 J32.5
NetJ3_1: J3.1 J3.4 J8.1 J8.4 J10.1 J10.4 J12.1 J12.4
NetJ6_1: J6.1 J6.4 J9.1 J9.4 J11.1 J11.4 J13.1 J13.4
NetJ14_2: J14.2 R45.1 R46.2
NetJ29_1: J29.1 R91.1 R92.2 R138.2
NetJ30_1: J30.1 R92.1
NetJ31_SH: J31.SH R105.2
NetJ35_3: J35.3 R115.2
NetJ36_1: J36.1 R116.1
NetL1_1: L1.1 U7.4
NetL2_1: L2.1 U16.4
NetL3_1: L3.1 U17.4
NetQ1_1: Q1.1 R45.2
NetR3_1: R3.1 U2.14
NetR3_2: R3.2 U2.13
NetR3_3: R3.3 U2.12
NetR3_4: R3.4 U2.11
NetR12_1: R12.1 U8.20
NetR13_1: R13.1 U8.22
NetR14_1: R14.1 U4.14
NetR14_2: R14.2 U4.13
NetR14_3: R14.3 U4.12
NetR14_4: R14.4 U4.11
NetR15_2: R15.2 U14.3
NetR18_2: R18.2 R20.2 TP16.1 U8.33
NetR19_2: R19.2 R21.2 U3.15
NetR39_1: R39.1 U8.69
NetR40_1: R40.1 U8.70
NetR49_1: R49.1 U10.6
NetR50_1: R50.1 U11.6
NetR51_1: R51.1 U10.7
NetR52_1: R52.1 U11.7
NetR53_2: R53.2 U10.10
NetR54_2: R54.2 U11.10
NetR55_1: R55.1 U12.6
NetR56_1: R56.1 U13.6
NetR57_1: R57.1 U12.7
NetR58_1: R58.1 U13.7
NetR60_2: R60.2 U12.10
NetR61_2: R61.2 U13.10
NetR66_1: R66.1 R137.2 U16.5
NetR68_1: R68.1 R72.1 U17.5
NetR68_2: R68.2 U16.6
NetR71_2: R71.2 U34.5
NetR80_2: R80.2 U19.21
NetR83_1: R83.1 U19.10
NetR86_2: R86.2 U20.21
NetR89_1: R89.1 U20.10
NetR90_1: R90.1 U21.4
NetR93_1: R93.1 U22.3
NetR93_2: R93.2 R136.2 U24.3
NetR94_1: R94.1 U23.7
NetR95_1: R95.1 U23.5
NetR96_1: R96.1 U23.2
NetR97_1: R97.1 U25.4
NetR97_2: R97.2 U23.1 U23.3 U23.6 U27.2
NetR98_1: R98.1 U27.4
NetR99_1: R99.1 U26.10
NetR99_2: R99.2 R135.2 U24.1
NetR102_1: R102.1 R120.1 U28.4
NetR104_1: R104.1 U32.4
NetR107_1: R107.1 R110.2 U30.2
NetR107_2: R107.2 R111.1 U30.4
NetR115_1: R115.1 TP30.1 U31.4
NetR118_2: R118.2 U8.7
NetR121_2: R121.2 U32.2
NetR122_2: R122.2 U8.37
NetR125_2: R125.2 U10.21
NetR126_2: R126.2 U10.23
NetR143_2: R143.2 U35.5
NetTP1_1: TP1.1 U3.40
NetTP2_1: TP2.1 U8.55
NetTP20_1: TP20.1 U22.4
NetTP23_1: TP23.1 U19.20
NetTP24_1: TP24.1 U19.19
NetTP25_1: TP25.1 U20.20
NetTP26_1: TP26.1 U20.19
NetTP31_1: TP31.1 U26.9
NetTP33_1: TP33.1 U8.40
NetTP34_1: TP34.1 U8.52
NetTP35_1: TP35.1 U8.43
NetTP39_1: TP39.1 U26.6
NetTP41_1: TP41.1 U10.15
NetTP42_1: TP42.1 U11.15
NetTP43_1: TP43.1 U12.15
NetTP44_1: TP44.1 U13.15
NetU24_4: U24.4 U25.3
NetU26_2: U26.2 X4.1
NetU26_3: U26.3 X4.3
OE_N: R10.1 U2.9 U3.41 U4.9
OPT_RX: J41.4 R116.2 U8.97
OPT_TX: J41.3 U8.74 U31.3
PLL_SYNC: J43.2 U8.6 U22.5
QSPI_CLK: J44.7 U8.4 U9.6 U9#2.6
QSPI_CS_N: J44.9 R38.1 U8.2 U9.1 U9#2.1
QSPI_D0: J44.3 U8.127 U9.5 U9#2.5
QSPI_D1: J44.4 U8.128 U9.2 U9#2.2
QSPI_D2: J44.5 U8.1 U9.3 U9#2.3
QSPI_D3: J44.6 U8.3 U9.7 U9#2.7
RST_N: C177.1 J4.10 J45.10 R43.1 U5.4 U8.38
RST_N_L: R16.1 TP8.1 U3.21
RST_N_OUT: R22.1 U3.7 U5.1
SUSPEND_N: J43.5 R64.2 U8.101 U34.3 U35.3
TCK: J4.4 J45.4 R14.7 U8.51
TCK_L: J5.1 TP3.1 U3.24
TDI: J4.8 R14.5 U8.36
TDI_L: J5.4 TP6.1 U3.18
TDO: J4.6 R11.1 R14.6 R123.2 R124.1
TDO_EXT: J45.6 R124.2
TDO_L: J5.6 TP7.1 U3.20
TDO_X: J45.8 R122.1 R123.1
TMS: J4.2 J45.2 R14.8 U8.44
TMS_L: J5.3 TP4.1 U3.23
USB_D_N: D8.6 J16.2 U8.59
USB_D_P: D8.1 J16.3 U8.60
USB_VBUS: C64.1 J15.2 J22.1 R47.2 R48.2
WCLK_IN: J43.10 R90.2 U8.99
X0D12: J1.3 U8.46
X0D13: J1.4 U8.47
X0D22: J1.5 R75.1 U8.48
X0D23: J1.6 U8.49
X0D24: J37.9 U8.86
X0D25: J37.10 U8.87
X0D34: J43.1 U8.125
X0D40: J43.9 U8.98
X1D09: TP32.1 U8.21
X1D12: J1.7 U8.53
X1D15: J37.3 U8.65
X1D20: J37.4 U8.71
X1D21: J37.5 U8.73
X1D23: J1.9 U8.57
X1D26: J42.1 U8.110
X1D27: J42.2 U8.111
X1D28: J42.3 U8.112
X1D29: J42.5 U8.114
X1D30: J42.6 U8.115
X1D31: J42.8 U8.116
X1D32: J42.9 U8.117
X1D33: J42.10 U8.118
X1D43: J37.6 U8.102
X1D49: J38.2 U8.75
X1D50: J38.3 U8.76
X1D51: J38.5 U8.77
X1D52: J38.6 U8.78
X1D53: J38.7 U8.79
X1D54: J38.10 U8.80
X1D55: J38.11 U8.81
X1D56: J38.12 U8.82
X1D57: J38.14 U8.83
X1D58: J38.15 U8.84
X_ADC_D0: J6.3 J7.19 U8.107
X_ADC_D1: J7.18 J9.3 U8.108
X_ADC_D2: J7.17 J11.3 U8.119
X_ADC_D3: J7.16 J13.3 U8.120
X_DAC_D0: J3.3 J7.3 U8.16
X_DAC_D1: J7.4 J8.3 U8.15
X_DAC_D2: J7.5 J10.3 U8.13
X_DAC_D3: J7.6 J12.3 U8.12
XL_DN0: J4.14 R3.7 U8.67
XL_DN1: J4.12 R3.8 U8.66
XL_UP0: J4.16 R3.6 R5.2 R39.2
XL_UP1: J4.18 R3.5 R4.2 R40.2
XS_TCK: R17.2 U3.45 U4.4
XS_TDSNK: R8.1 U3.44 U4.5
XS_TDSRC: R9.1 U3.43 U4.6
XS_TMS: R7.1 U3.47 U4.3
XS_XL_DN0: R6.7 U2.4 U3.36
XS_XL_DN1: R6.8 U2.3 U3.37
XS_XL_UP0: R6.6 U2.5 U3.35
XS_XL_UP1: R6.5 U2.6 U3.33

Pads without a net: D2 3 4; D8 3 4; FM5 1; FM6 1; FM7 1; FM8 1; FM9 1; FM10 1; J1 10; J2 4; J4 20; J16 4; J23 2 3 4; J31 1 3; J32 1 3; J35 0; J36 0; J37 7; J44 10; J45 1 11 12 14 16 18 20; SW1 1B; SW2 1B; SW3 1B; U1 9; U3 6 9 10 11 14 25 32 39 53 54 55 56 58; U5 5; U7 6; U8 25 26 28 29 31 32 58 FID1 FID2; U10 13 14; U11 13 14; U12 13 14; U13 13 14; U14 4; U15 3; U17 6; U18 4; U19 5 9 27 28 29 30; U20 5 9 27 28 29 30; U21 5; U27 5; U28 3; U30 1; U32 5; U34 4; U35 4

## Via types
v1: diameter 0.6, hole 0.2, Layer 1 (Top) to Layer 4 (Bottom), 922 vias

## Routing (per net, layer and track width the routed paths; a pad name or vN(x,y) marks a point on that pad's centre or on a via; arc(x,y) is an arc through that point)
0V9: length 45.7
  Layer 1 (Top) w0.24: 76.6,65.4 v1(76.6,65.5) U8.5 ; v1(78,46.5) 78,47 77.8,47.2 U8.95 ; U8.68 67,46.8 66.8,46.6 v1(66.8,46.5) ; v1(70.8,65.5) 71.4,64.9 U8.18 ; v1(62.5,57.5) 63.2,57.5 63.3,57.4 U8.45 ; v1(62.5,60.3) 63,59.8 U8.39 ; v1(81.5,56.6) 81.47,56.57 80.97,56.57 80.6,56.2 U8.113 ; U8.50 63.39,55.4 63.09,55.1 v1(62.5,55.1) ; U8.11 v1(74.2,65.5) ; v1(74,46.5) 74,46.6 73.8,46.8 U8.85 ; U8.54 63.1,53.8 63,53.9 v1(62.5,53.9) ; v1(73,62.4) U8.14
  Layer 1 (Top) w0.3: v1(81.5,56.6) C42.1 ; v1(32.3,52) R74.2 30.5,52.82 30.5,54.74 C116.1 ; C9.1 v1(79,46.5) ; C39.1 v1(78,46.5) ; C51.1 v1(66.8,46.5) ; v1(81.4,52) C41.1 ; C50.1 v1(62.5,53.9) ; v1(74.2,65.5) C44.1 ; C49.1 v1(62.5,55.1) ; C48.1 v1(62.5,57.5) ; FB3.2 59.9,59.25 v1(59.9,58.5) ; v1(76.6,65.5) C43.1 ; C10.1 v1(74,46.5) ; v1(81.4,53) C40.1 ; C47.1 v1(62.5,60.3) ; v1(70.8,65.5) C46.1
  Layer 4 (Bottom) w0.3: v1(31.1,44.8) 31.1,46.3 31.6,46.8 31.6,51.3 v1(32.3,52)
  vias: v1(31.1,43.9) v1(32,44.8) v1(32,43.9) v1(32.9,44.8) v1(32.9,43.9)
0V9_DBG: length 28.7
  Layer 1 (Top) w0.2: 19.69,26.05 C37.1
  Layer 1 (Top) w0.23: 16.9,15.1 U3.19 15,15.1 14.7,15.4 C27.1 ; 21.1,10.9 U3.42 21.1,9.48 21.4,9.18 C28.1 ; 21.1,16.1 U3.4 21.1,17.51 21.4,17.81 21.4,18.34 C22.1 ; 17.9,16.1 U3.12 17.9,17.54 17.6,17.84 C24.1 ; C21.1 14.7,11.2 15.5,11.9 U3.27 16.9,11.9 ; C23.1 24.34,11.7 23.8,11.7 23.6,11.9 U3.49 22.1,11.9 ; C26.1 24.34,15.2 23.8,15.2 23.7,15.1 U3.57 22.1,15.1 ; 17.9,10.9 U3.34 17.9,9.47 17.6,9.17 17.6,8.66 ; 10.6,13.56 FB2.2
  Layer 1 (Top) w0.3: v1(10.6,12.88) 10.6,13.56 ; v1(18.7,25.3) R29.2 19.69,26.05
  Layer 4 (Bottom) w0.2: 14.16,24.14 TP12.1
  Layer 4 (Bottom) w0.3: v1(18.7,25.3) 17.8,25.3 16.2,23.7 v1(16.2,23.1) ; 14.16,24.14 15.3,23
  vias: v1(15.3,23.1) v1(15.3,22.2) v1(16.2,22.2) v1(17,15) v1(17,13.5) v1(17,12) v1(18,16) v1(18,11) v1(19.5,16) v1(19.5,11) v1(21,16) v1(21,11) v1(22,15) v1(22,13.5) v1(22,12)
